# Altium PCB Brains3.PcbDoc (part 1 of 2) (continued)
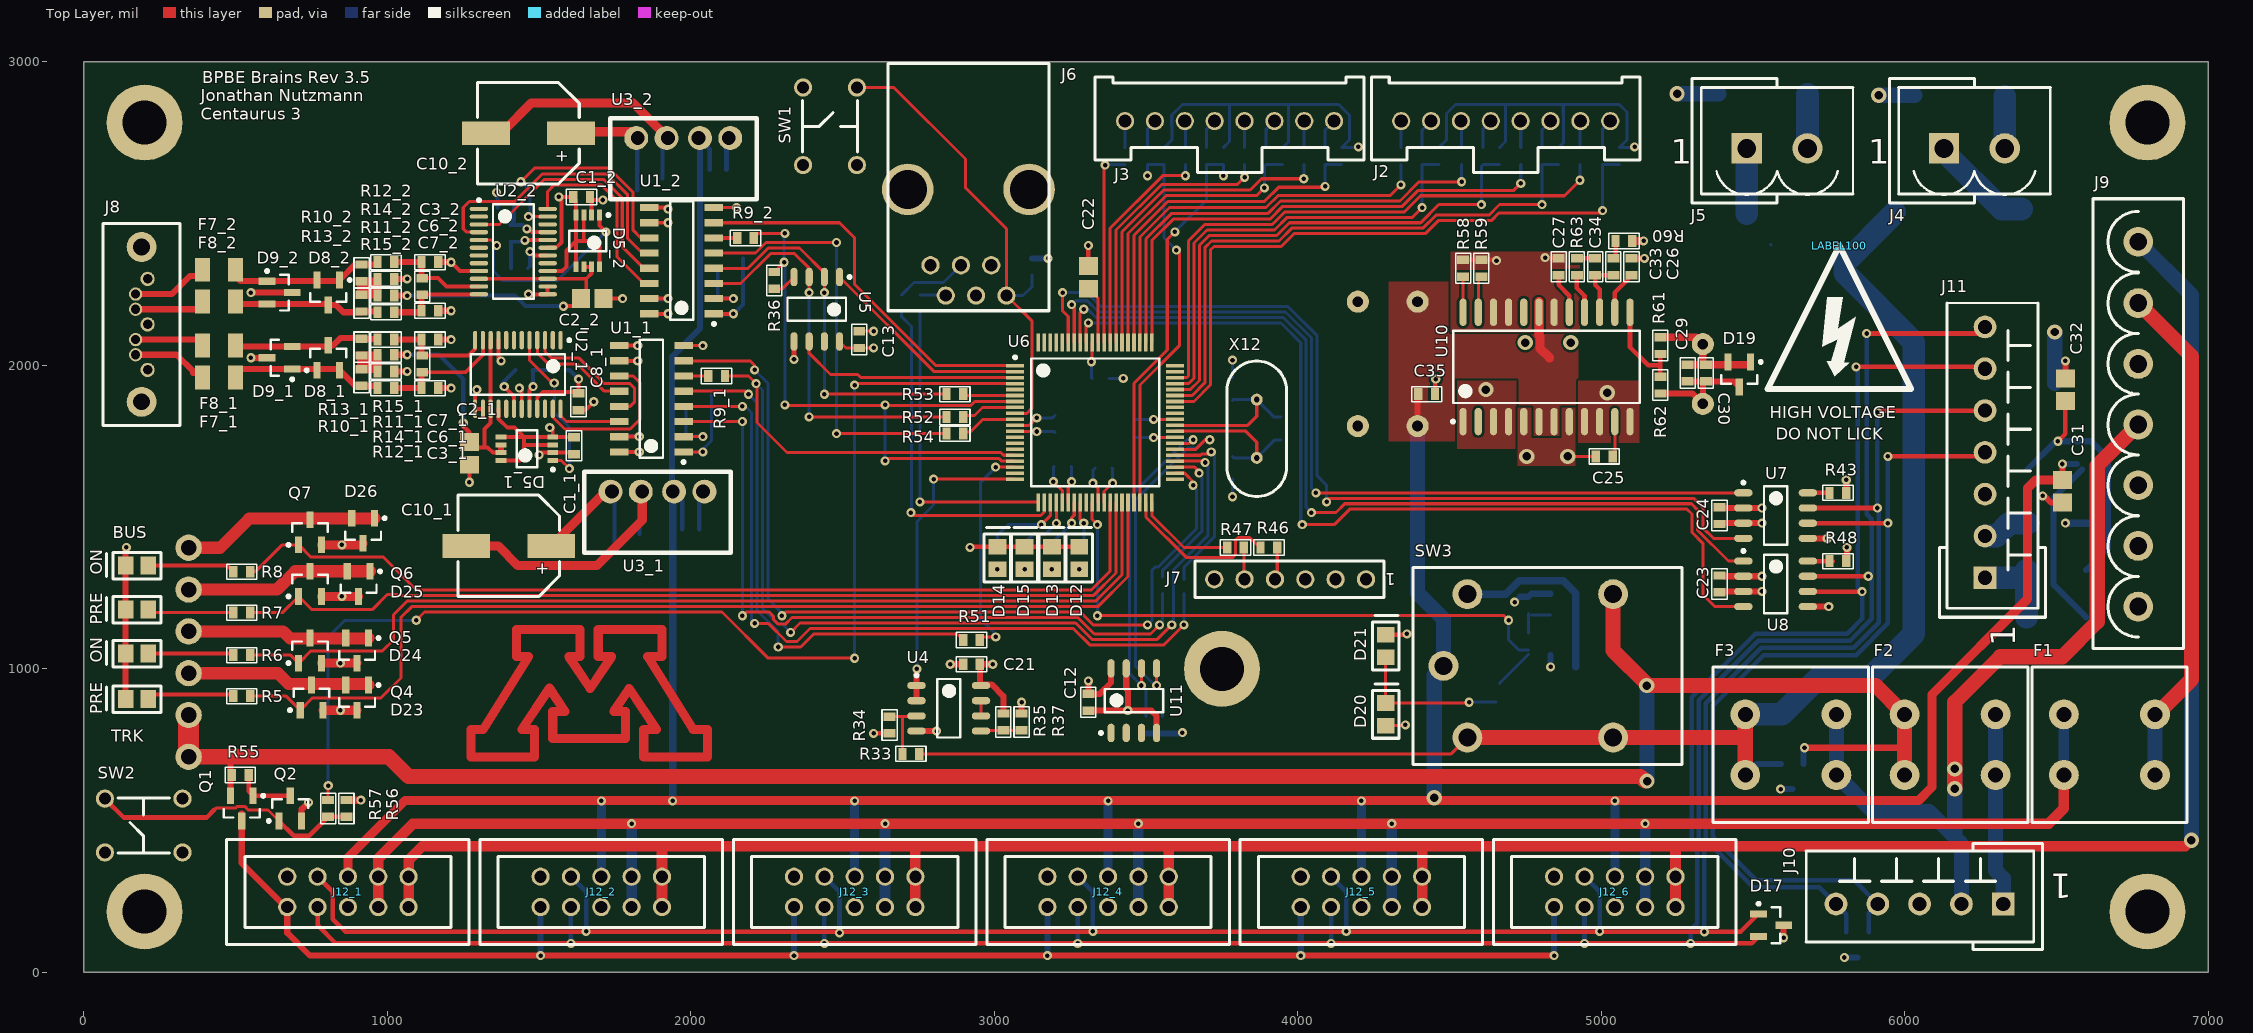
[diagram p0: Top Layer view]
## Components (designator, comment, footprint, x,y, rotation, side; value= is the part's Value field where it differs from the comment) (continued)
J12_1 "J_5x2_0.1" 10PIN_2_.100IN 1070,215 r180 top (schematic designator J12)
J12_2 "J_5x2_0.1" 10PIN_2_.100IN 1905,215 r180 top (schematic designator J12)
J12_3 "J_5x2_0.1" 10PIN_2_.100IN 2740,215 r180 top (schematic designator J12)
J12_4 "J_5x2_0.1" 10PIN_2_.100IN 3575,215 r180 top (schematic designator J12)
J12_5 "J_5x2_0.1" 10PIN_2_.100IN 4410,215 r180 top (schematic designator J12)
J12_6 "J_5x2_0.1" 10PIN_2_.100IN 5245,215 r180 top (schematic designator J12)
L1 "L_33uH_20%" L_SRR1210 4825,1900 r0 bottom
LABEL100 "SHOCK WARNING LARGE" SHOCK_HAZARD_LARGE 5785,2395 r0 top
ON "D_LED_0805_GREEN" 0805P_Green 175,1340 r0 top (schematic designator D4)
ON "D_LED_0805_GREEN" 0805P_Green 175,1050 r0 top (schematic designator D2)
PRE "D_LED_0805_RED" 0805P_RED 175,1195 r0 top (schematic designator D3)
PRE "D_LED_0805_RED" 0805P_RED 175,900 r0 top (schematic designator D1)
Q1 "Q_AO3401A" SOT-23 520,540 r270 top
Q2 "RK7002BT116" SOT-23 680,540 r90 top
Q3 "2SK3541T2L" SOT-23 4875,1210 r0 bottom
Q4 "RK7002BT116" SOT-23 750,905 r90 top
Q5 "RK7002BT116" SOT-23 745,1060 r90 top
Q6 "RK7002BT116" SOT-23 745,1280 r90 top
Q7 "RK7002BT116" SOT-23 745,1450 r90 top
R1 "RES 0603" 0603_res 3500,815 r90 bottom
R2 "RES 0603" 0603_res 3555,815 r90 bottom
R5 "R_0805_620_1%" 0603_res 520,910 r0 top
R6 "R_0805_620_1%" 0603_res 520,1045 r0 top
R7 "R_0805_620_1%" 0603_res 520,1185 r0 top
R8 "R_0805_620_1%" 0603_res 520,1320 r0 top
R9_1 "RES 0603" 0603_res 2085,1965 r180 top (schematic designator R9)
R9_2 "RES 0603" 0603_res 2180,2420 r180 top (schematic designator R9)
R10_1 "RES 0603" 0603_res 915,1960 r270 top (schematic designator R10)
R10_2 "RES 0603" 0603_res 915,2305 r90 top (schematic designator R10)
R11_1 "RES 0603" 0603_res 995,2035 r0 top (schematic designator R11)
R11_2 "RES 0603" 0603_res 995,2230 r0 top (schematic designator R11)
R12_1 "RES 0603" 0603_res 995,1925 r180 top (schematic designator R12)
R12_2 "RES 0603" 0603_res 995,2340 r180 top (schematic designator R12)
R13_1 "RES 0603" 0603_res 915,2060 r270 top (schematic designator R13)
R13_2 "RES 0603" 0603_res 915,2205 r90 top (schematic designator R13)
R14_1 "RES 0603" 0603_res 995,1980 r180 top (schematic designator R14)
R14_2 "RES 0603" 0603_res 995,2285 r180 top (schematic designator R14)
R15_1 "RES 0603" 0603_res 995,2085 r180 top (schematic designator R15)
R15_2 "RES 0603" 0603_res 995,2175 r180 top (schematic designator R15)
R16 "RES 0603" 0603_res 4930,2690 r270 bottom
R17 "RES 0603" 0603_res 5060,2690 r270 bottom
R18 "RES 0603" 0603_res 4145,2690 r270 bottom
R19 "RES 0603" 0603_res 4735,2690 r270 bottom
R20 "RES 0603" 0603_res 4860,2690 r270 bottom
R21 "RES 0603" 0603_res 3950,2690 r270 bottom
R22 "RES 0603" 0603_res 4540,2690 r270 bottom
R23 "RES 0603" 0603_res 4665,2690 r270 bottom
R24 "RES 0603" 0603_res 3755,2690 r270 bottom
R25 "RES 0603" 0603_res 4340,2690 r270 bottom
R26 "RES 0603" 0603_res 4465,2690 r270 bottom
R27 "RES 0603" 0603_res 3560,2690 r270 bottom
R28 "RES 0603" 0603_res 4020,2690 r270 bottom
R29 "RES 0603" 0603_res 3825,2690 r270 bottom
R30 "RES 0603" 0603_res 3630,2690 r270 bottom
R31 "RES 0603" 0603_res 3430,2690 r270 bottom
R32 "R_0805_1MEG_1%" 0805_Resistor 3945,1792.13 r270 bottom
R33 "RES 0603" 0603_res 2725,720 r180 top
R34 "RES 0603" 0603_res 2655,815 r90 top
R35 "RES 0603" 0603_res 3030,825 r270 top
R36 "RES 0603" 0603_res 2275,2280 r270 top
R37 "RES 0603" 0603_res 3090,825 r270 top
R38 "R_0805_620_1%" 0805_Resistor 3280,1365 r270 bottom
R39 "RES 0603" 0603_res 3125,2325 r270 bottom
R40 "R_0805_620_1%" 0805_Resistor 3190,1365 r270 bottom
R41 "R_0805_620_1%" 0805_Resistor 3010,1365 r270 bottom
R42 "R_0805_620_1%" 0805_Resistor 3100,1365 r270 bottom
R43 "RES 0603" 0603_res 5780,1580 r180 top
R44 "RES 0603" 0603_res 2695,2205 r270 bottom
R45 "RES 0603" 0603_res 2755,2205 r270 bottom
R46 "RES 0603" 0603_res 3905,1400 r180 top
R47 "RES 0603" 0603_res 3795,1400 r180 top
R48 "RES 0603" 0603_res 5780,1355 r180 top
R49 "RES 0603" 0603_res 3555,1275 r90 bottom
R50 "RES 0603" 0603_res 3625,1275 r90 bottom
R51 "RES 0603" 0603_res 2925,1095 r0 top
R52 "RES 0603" 0603_res 2870,1830 r0 top
R53 "RES 0603" 0603_res 2870,1905 r0 top
R54 "RES 0603" 0603_res 2870,1775 r0 top
R55 "RES 0603" 0603_res 515,650 r180 top
R56 "RES 0603" 0603_res 865,540 r90 top
R57 "RES 0603" 0603_res 805,540 r90 top
R58 "RES 0603" 0603_res 4545,2320 r90 top
R59 "RES 0603" 0603_res 4605,2320 r90 top
R60 "RES 0603" 0603_res 5075,2410 r180 top
R61 "RES 0603" 0603_res 5195,2065 r90 top
R62 "RES 0603" 0603_res 5195,1935 r90 top
R63 "RES 0603" 0603_res 4920,2325 r270 top
R64 "R_0805_620_1%" 0805_Resistor 4665,915 r90 bottom
R65 "RES 0603" 0603_res 4760,1090 r270 bottom
R66 "RES 0603" 0603_res 4760,1210 r270 bottom
SW1 "SW_TACT_SWITCH_6x6" TACT_SWITCH_6x6 2370,2660 r0 top
SW2 "SW_TACT_SWITCH_6x6" TACT_SWITCH_6x6 325,395 r90 top
SW3 "SW_G5LE-1 DC12" "G5LE-1 DC12" 4380,685 r0 top
U1_1 "U_SI6841EC-B" SOIC16_SI8641 1870,1890 r180 top (schematic designator U1)
U1_2 "U_SI6841EC-B" SOIC16_SI8641 1970,2345 r180 top (schematic designator U1)
U2_1 "U_AD7192" TSOP65P640X120-24N 1430,1970 r270 top (schematic designator U2)
U2_2 "U_AD7192" TSOP65P640X120-24N 1415,2375 r0 top (schematic designator U2)
U3_1 "U_RM-1205S" SIP4 1890,1585 r180 top (schematic designator U3)
U3_2 "U_RM-1205S" SIP4 1975,2750 r180 top (schematic designator U3)
U4 "IC OP AMP" SOIC127P600X175-8N 2850,870 r0 top
U5 "AT93C86A-10SU-2.7" SOIC127P600X175-8N 2415,2185 r270 top
U6 "DSPIC33FJ128GP708A" dspic33-tqfp80 3332.4,1812.13 r0 top
U7 "U_MAX3051" SOIC127P600X175-8N 5575,1505 r0 top
U8 "U_MAX3051" SOIC127P600X175-8N 5575,1280 r0 top
U9 "MC7805BDTG" DPAK 6495,1940 r270 bottom
U10 "LM2650 DC/DC Converter" SOIC127P1030X265-24N 4820,1995 r90 top
U11 "U_MB85RC16PNF-G-JNE1" SOIC127P600X175-8N 3460,895 r90 top
X1_1 "Ferrite Bead" 0603_res 1560,1995 r0 bottom (schematic designator X1)
X1_2 "Ferrite Bead" 0603_res 1405,2435 r90 bottom (schematic designator X1)
X2 "0603" 0603_res 5005,2690 r90 bottom
X3 "0603" 0603_res 4805,2690 r90 bottom
X4 "0603" 0603_res 4610,2690 r90 bottom
X5 "0603" 0603_res 4410,2690 r90 bottom
X6 "0603" 0603_res 4090,2690 r90 bottom
X7 "0603" 0603_res 3895,2690 r90 bottom
X8 "0603" 0603_res 3700,2690 r90 bottom
X9 "0603" 0603_res 3505,2690 r90 bottom
X10 "Ferrite Bead" 28F0181-1SR-10 6180,2890 r0 bottom
X11 "Ferrite Bead" 28F0181-1SR-10 5535,2895 r0 bottom
X12 "HC49" HC-49 3865,1887.13 r270 top

## Footprints (in the part's own frame and the unit in brackets; to place one, negate y for a bottom-side part, rotate by r counter-clockwise, add the part's x,y. Pads: shape width x height; smd on the part's side, far side on the other; paste and mask are expansions set on the pad)
6PIN_1_.100IN [mil]
  round 60 hole 40.16: 1(0,0) 2(100,0) 3(200,0) 4(300,0) 5(400,0) 6(500,0)
  silkscreen extent -60,-60 563,60
10PIN_2_.100IN [mil]
  round 60 hole 40.16: 1(0,0) 2(0,-100) 3(100,0) 4(100,-100) 5(200,0) 6(200,-100) 7(300,0) 8(300,-100) 9(400,0) 10(400,-100)
  silkscreen extent -200,-223 600,123
28F0181-1SR-10 [mil]
  rect 130x160 smd: 1(-146.5,0) 2(146.5,0)
0603_cap [mm]
  rect 0.7x1 smd: 1(-0.7,0) 2(0.7,0)
  silkscreen extent -1.27,-0.64 1.27,0.64, body extent -0.8,-0.4 0.8,0.4, height 0.3
0603_res [mm]
  rect 0.7x1 smd: 1(-0.7,0) 2(0.7,0)
  silkscreen extent -1.27,-0.64 1.27,0.64, body extent -0.8,-0.4 0.8,0.4, height 0.3
0805_BLUE [mm] "Chip Capacitor; Body 2.0 x 1.2 mm (LxW typ)"
  rect 1.3x1.5 smd: 1(-0.95,0) 2(0.95,0)
  silkscreen extent -2.54,-1.1 2,1.1, body extent -1.02,-0.64 0.99,0.61, height 0.79
0805_Capacitor [mm] "0805 Capacitor"
  rect 1.5x1.6 smd: 1(-0.95,0) 2(0.95,0)
  body extent -1,-0.62 1,0.62, height 0.76
0805_Resistor [mm] "0805 Resistor"
  rect 1.5x1.6 smd: 1(-0.95,0) 2(0.95,0)
  body extent -1,-0.62 1,0.63, height 0.78
0805P_Green [mm] "Chip Capacitor; Body 2.0 x 1.2 mm (LxW typ)"
  rect 1.3x1.5 smd: 1(-0.95,0) 2(0.95,0)
  silkscreen extent -2.54,-1.1 2,1.1, body extent -1.02,-0.64 0.99,0.61, height 0.79
0805P_RED [mm] "Chip Capacitor; Body 2.0 x 1.2 mm (LxW typ)"
  rect 1.3x1.5 smd: 1(-0.95,0) 2(0.95,0)
  silkscreen extent -2.54,-1.1 2,1.1, body extent -1.02,-0.64 0.99,0.61, height 0.79
0805P_YELLOW [mm] "Chip Capacitor; Body 2.0 x 1.2 mm (LxW typ)"
  rect 1.3x1.5 smd: 1(-0.95,0) 2(0.95,0)
  silkscreen extent -2.54,-1.1 2,1.1, body extent -1.02,-0.64 0.99,0.61, height 0.79
1206_RESISTOR [mm] "1206 Resistor/Capacitor"
  rect 1.25x2 smd: 1(-1.375,0) 2(1.375,0)
  body extent -1.6,-0.8 1.6,0.8, height 1
2410 [mm]
  rect 2x3.18 smd: 1(-2.5,0) 2(2.5,0)
1843635 [mil]
  rect 75x75 hole 47: 1(0,0)
  round 75 hole 47: 2(0,-137.8) 3(0,-275.59) 4(0,-413.39) 5(0,-551.18)
  silkscreen extent -200,-650 150,130
1843651 [mil]
  rect 75x75 hole 47: 1(0,0)
  round 75 hole 47: 2(0,-137.8) 3(0,-275.59) 4(0,-413.39) 5(0,-551.18) 6(0,-688.98) 7(0,-826.77)
  silkscreen extent -200,-906 150,130
1844252 [mm]
  round 2.2 hole 1.3: 1(0,0) 2(3.5,0) 3(7,0) 4(10.5,0) 5(14,0) 6(17.5,0)
  silkscreen extent -2.45,-8 19.95,2, body extent -2.44,-8 19.96,1.2, height 7.25
CAP_NICHICON_R7 [mm]
  round 1.85 hole 0.9: 1(0,0) 2(5,0)
  silkscreen extent -2.5,-5 7.5,5, body extent -2.46,-4.95 7.54,5.05, height 12.5
D2PAK-D [mm]
  rect 3.7x1.3 smd: 0(10.6,-2.54) A(10.6,2.54)
  rect 8.9x10.3 smd: K(0,0)
DF1EC-8P-2.5DSA [mil] "8-pin DF1E connector straight"
  round 60 hole 43.31: 1(0,0) 2(98.43,0) 3(196.85,0) 4(295.28,0) 5(393.7,0) 6(492.13,0) 7(590.55,0) 8(688.98,0)
  silkscreen extent -98,-146 787,169, body extent -98,-146 787,169, height 425
DPAK [mm]
  rect 6.2x5.8 smd: 1(0,0)
  rect 3x1.6 smd: 2(7.18,2.285) 3(7.18,-2.285)
  body extent -2.69,-3.33 6.81,3.18, height 2.3
dspic33-tqfp80 [mm] "TSQFP, 80-Leads, Body 14.0x14.0mm (max), Pitch 0.50mm, IPC Medium Density"
  rect 1.5x0.3 smd: 1(-6.7,4.75) 2(-6.7,4.25) 3(-6.7,3.75) 4(-6.7,3.25) 5(-6.7,2.75) 6(-6.7,2.25) 7(-6.7,1.75) 8(-6.7,1.25) 9(-6.7,0.75) 10(-6.7,0.25) 11(-6.7,-0.25) 12(-6.7,-0.75) 13(-6.7,-1.25) 14(-6.7,-1.75) 15(-6.7,-2.25) 16(-6.7,-2.75) 17(-6.7,-3.25) 18(-6.7,-3.75) 19(-6.7,-4.25) 20(-6.7,-4.75) 41(6.7,-4.75) 42(6.7,-4.25) 43(6.7,-3.75) 44(6.7,-3.25) 45(6.7,-2.75) 46(6.7,-2.25) 47(6.7,-1.75) 48(6.7,-1.25) 49(6.7,-0.75) 50(6.7,-0.25) 51(6.7,0.25) 52(6.7,0.75) 53(6.7,1.25) 54(6.7,1.75) 55(6.7,2.25) 56(6.7,2.75) 57(6.7,3.25) 58(6.7,3.75) 59(6.7,4.25) 60(6.7,4.75)
  rect 0.3x1.5 smd: 21(-4.75,-6.7) 22(-4.25,-6.7) 23(-3.75,-6.7) 24(-3.25,-6.7) 25(-2.75,-6.7) 26(-2.25,-6.7) 27(-1.75,-6.7) 28(-1.25,-6.7) 29(-0.75,-6.7) 30(-0.25,-6.7) 31(0.25,-6.7) 32(0.75,-6.7) 33(1.25,-6.7) 34(1.75,-6.7) 35(2.25,-6.7) 36(2.75,-6.7) 37(3.25,-6.7) 38(3.75,-6.7) 39(4.25,-6.7) 40(4.75,-6.7) 61(4.75,6.7) 62(4.25,6.7) 63(3.75,6.7) 64(3.25,6.7) 65(2.75,6.7) 66(2.25,6.7) 67(1.75,6.7) 68(1.25,6.7) 69(0.75,6.7) 70(0.25,6.7) 71(-0.25,6.7) 72(-0.75,6.7) 73(-1.25,6.7) 74(-1.75,6.7) 75(-2.25,6.7) 76(-2.75,6.7) 77(-3.25,6.7) 78(-3.75,6.7) 79(-4.25,6.7) 80(-4.75,6.7)
  silkscreen extent -6.82,-5.35 5.35,5.57, body extent -6,-6 6,6, height 1.2
EEE-FP1V101AP [mm]
  rect 2x4 smd: 1(0,-3.55) 2(0,3.55)
  silkscreen extent -4.25,-4.25 4.25,4.25
"FPG4 Fuseholder" [mm] "Schurter 5mmx20mm Fuse Holder"
  round 2.5 hole 1.25: 1(-2.54,3.81) 1(2.54,3.81) 2(-2.54,-3.81) 2(2.54,-3.81)
  silkscreen extent -6.5,-6.5 6.5,6.5, body extent -6.25,-6.25 6.25,6.25, height 32.6
"G5LE-1 DC12" [mm]
  round 2.5 hole 1.5: 1(2.55,8.25) 2(4.55,2.25) 3(16.75,2.25) 4(16.75,14.25) 5(4.55,14.25)
  silkscreen extent 0,0 22.5,16.5
HC-49 [mm]
  round 1 hole 0.5: 1(0,0) 2(4.88,0)
  Top Layer pour cut-out: -2.591,1.499 -2.388,1.727 -2.235,1.854 -1.981,2.057 -1.727,2.184 -1.448,2.311 -1.067,2.388 -0.787,2.413 5.766,2.413 6.172,2.337 6.579,2.21 6.909,2.032 7.239,1.778 7.595,1.372 7.849,0.914 7.976,0.533 8.026,0.127 8.026,-0.178 7.95,-0.559 7.772,-0.991 7.569,-1.346 7.188,-1.778 6.858,-2.007 6.375,-2.235 6.02,-2.311 5.588,-2.362 -0.686,-2.362 -1.016,-2.337 -1.27,-2.286 -1.502,-2.216 -1.753,-2.108 -2.007,-1.981 -2.21,-1.829 -2.438,-1.6 -2.642,-1.346 -2.87,-1.016 -2.997,-0.66 -3.073,-0.279 -3.099,0.025 -3.073,0.33 -3.023,0.584 -2.946,0.889 -2.819,1.118 -2.718,1.295
  Bottom Layer pour cut-out: 7.518,1.499 7.315,1.727 7.163,1.854 6.909,2.057 6.655,2.184 6.375,2.311 5.994,2.388 5.715,2.413 -0.838,2.413 -1.245,2.337 -1.651,2.21 -1.981,2.032 -2.311,1.778 -2.667,1.372 -2.921,0.914 -3.048,0.533 -3.099,0.127 -3.099,-0.178 -3.023,-0.559 -2.845,-0.991 -2.642,-1.346 -2.261,-1.778 -1.93,-2.007 -1.448,-2.235 -1.092,-2.311 -0.66,-2.362 5.613,-2.362 5.944,-2.337 6.198,-2.286 6.43,-2.216 6.68,-2.108 6.934,-1.981 7.137,-1.829 7.366,-1.6 7.569,-1.346 7.798,-1.016 7.925,-0.66 8.001,-0.279 8.026,0.025 8.001,0.33 7.95,0.584 7.874,0.889 7.747,1.118 7.645,1.295
  silkscreen extent -3.23,-2.5 8.11,2.5, body extent -3.25,-1.78 8.1,1.87, height 3.3
L_SRR1210 [mm]
  rect 5.3x2.8 smd: 1(0,5.05) 2(0,-5.05)
  silkscreen extent -6,-6 6,6, body extent -5.94,-6.68 6.05,6.65, height 10.01
PHONEIX_7_5.08 [mm]
  round 2.5 hole 1.5: 1(0,0) 2(5.08,0) 3(10.16,0) 4(15.24,0) 5(20.32,0) 6(25.4,0) 7(30.54,0)
  silkscreen extent -3.5,-3.8 34.14,3.8, body extent -3.56,-4.8 34,3.8, height 12
PHX2UP [mil]
  rect 100x100 hole 62: 1(105,10)
  round 100 hole 62: 2(-95,10)
  silkscreen extent -245,-220 285,190, body extent -234,-179 244,160, height 472
SATA_67800-8005 [mm]
  round 2.5 hole 1.4: 0(-6.48,0) 0(6.48,0)
  round 1.2 hole 0.8: 1(-3.81,-0.5) 4(0,-0.5) 7(3.81,-0.5)
  round 1.118 hole 0.762: 2(-2.54,0.5) 3(-1.27,0.5) 5(1.27,0.5) 6(2.54,0.5)
  silkscreen extent -8.45,-3.22 8.45,3.22
SHOCK_HAZARD_LARGE [mil]
  silkscreen extent -236,-472 236,0
SIP4 [mm]
  round 2 hole 1.15 copper offset -0.127,0: 1(-3.81,0.025) 2(-1.27,0.025)
  round 2 hole 1.15 copper offset 0.127,0: 3(1.27,0.025) 4(3.81,0.025)
  silkscreen extent -6.15,-1.63 6.12,5.13, body extent -5.74,-1.24 5.74,4.75, height 10
SOIC16_SI8641 [mm] "SOIC, 16-Leads, Body 9.9x3.9mm (max), Pitch 1.27mm, IPC Medium Density"
  rect 1.55x0.6 smd: 1(-2.7,4.445) 2(-2.7,3.175) 3(-2.7,1.905) 4(-2.7,0.635) 5(-2.7,-0.635) 6(-2.7,-1.905) 7(-2.7,-3.175) 8(-2.7,-4.445) 9(2.7,-4.445) 10(2.7,-3.175) 11(2.7,-1.905) 12(2.7,-0.635) 13(2.7,0.635) 14(2.7,1.905) 15(2.7,3.175) 16(2.7,4.445)
  silkscreen extent -2.83,-4.95 0.97,5.42, body extent -1.95,-4.95 1.95,4.95, height 1.75
SOIC127P600X175-8N [mm] "SOIC, 8-Leads, Body 4.9x3.9mm (max), Pitch 1.27mm, IPC Medium Density"
  oval 1.55x0.6 smd: 1(-2.7,1.905) 2(-2.7,0.635) 3(-2.7,-0.635) 4(-2.7,-1.905) 5(2.7,-1.905) 6(2.7,-0.635) 7(2.7,0.635) 8(2.7,1.905)
  silkscreen extent -2.82,-2.45 0.97,2.88, body extent -3.02,-2.46 2.98,2.48, height 1.55
SOIC127P1030X265-24N [mm] "SOIC, 24-Leads, Body 15.6x7.6mm (max), Pitch 1.27mm, IPC Medium Density"
  oval 2.3x0.6 smd: 1(-4.575,6.985) 2(-4.575,5.715) 3(-4.575,4.445) 4(-4.575,3.175) 5(-4.575,1.905) 6(-4.575,0.635) 7(-4.575,-0.635) 8(-4.575,-1.905) 9(-4.575,-3.175) 10(-4.575,-4.445) 11(-4.575,-5.715) 12(-4.575,-6.985) 13(4.575,-6.985) 14(4.575,-5.715) 15(4.575,-4.445) 16(4.575,-3.175) 17(4.575,-1.905) 18(4.575,-0.635) 19(4.575,0.635) 20(4.575,1.905) 21(4.575,3.175) 22(4.575,4.445) 23(4.575,5.715) 24(4.575,6.985)
  silkscreen extent -4.7,-7.8 3.03,7.96, body extent -5.3,-7.8 5.3,7.8, height 2.57
SOT-23 [mm] "SOT23, 3-Leads, Body 3.0x2.7mm (max), Pitch 0.95mm, IPC Medium Density"
  rect 1.4x0.6 smd: 1(-1.05,0.95) 2(-1.05,-0.95) 3(1.05,0)
  silkscreen extent -1.17,-1.5 0.76,1.92, body extent -1.21,-1.1 0.99,1.1, height 1.1
SS-6466-NF [mil]
  round 60 hole 40: 1(0,-225) 2(100,-175) 3(0,-125) 4(100,-75) 5(0,-25) 6(100,25)
  round 170 hole 128: ""(350,-300) ""(350,100)
  silkscreen extent -50,-365 765,165, body extent -48,-365 768,165, height 505
TACT_SWITCH_6x6 [mil]
  round 60 hole 40: 1(0,0) 2(177.17,255.91) 3(177.17,0) 4(0,255.91)
  silkscreen extent -1,43 179,213, body extent -29,0 207,255, height 169
TSOP65P490X110-8N [mm] "TSOP, 8-Leads, Body 3.1x3.1mm (max), Pitch 0.65mm, IPC Medium Density"
  rect 0.889x0.42 smd: 1(-2.171,0.975) 2(-2.171,0.325) 3(-2.171,-0.325) 4(-2.171,-0.975) 5(2.17,-0.975) 6(2.17,-0.325) 7(2.17,0.325) 8(2.17,0.975)
  silkscreen extent -2.3,-1.55 0.85,1.86, body extent -1.55,-1.55 1.55,1.55, height 1.1
TSOP65P640X120-24N [mm] "TSOP, 24-Leads, Body 7.9x4.5mm (max), Pitch 0.65mm, IPC Medium Density"
  oval 1.55x0.35 smd: 1(-2.875,3.575) 2(-2.875,2.925) 3(-2.875,2.275) 4(-2.875,1.625) 5(-2.875,0.975) 6(-2.875,0.325) 7(-2.875,-0.325) 8(-2.875,-0.975) 9(-2.875,-1.625) 10(-2.875,-2.275) 11(-2.875,-2.925) 12(-2.875,-3.575) 13(2.875,-3.575) 14(2.875,-2.925) 15(2.875,-2.275) 16(2.875,-1.625) 17(2.875,-0.975) 18(2.875,-0.325) 19(2.875,0.325) 20(2.875,0.975) 21(2.875,1.625) 22(2.875,2.275) 23(2.875,2.925) 24(2.875,3.575)
  silkscreen extent -3,-3.95 1.7,4.43, body extent -2.25,-3.95 2.25,3.95, height 1.2

## Part data
C1_1 C1_2 C3_1 C3_2 C4_1 C4_2 C5_1 C5_2 C6_1 C6_2 C7_1 C7_2 C8_1 C8_2 C9_1 C9_2 C11_1 C11_2 C12 C13 C14 C15 C16 C17 C18 C21 C23 C24 C25 C26 C27 C29 C30 C33 C34 C35: library part C_0603, "CAP CERM 0603"
C2_1 C2_2 C22: library part C_0805_10uF, "CAP CERM 10 uF"
C10_1 C10_2: library part C_POLY_100uF_35V, "CAP ALUM 100UF 35V 20% SMD"
C19 C20: library part C_0805_20PF_100V_5%, "CAP CERM 20PF 5% 100V NP0 0805"
C28: library part C_POLY_680UF_10V, "CAP POLY 680UF 10V LOW ESR RAD"
C31 C32: library part C_0805_1.0uF, "CAP CERM 1uF"
C36 C37: library part C_POLY_150UF, "CAP POLY 150UF 20V HT 125C RAD"
D5_1 D5_2: "IC VREF SERIES PREC 3.3V 8-MSOP"
D6_1 D6_2 D7_1 D7_2 D9_1 D9_2 D19: library part D_MMBZ6V8AL,215, "DIODE ESD PROT DBL 4.5V SOT23"
D8_1 D8_2: library part D_BAV99, "DIODE ULTRAFAST HI COND SOT-23"
D10 D11: library part D_Schottky_20A_15V_D2PAK, "DIODE SCHOTTKY 20A 15V D2PAK"
D12 D20 PRE PRE: "LED CHIPLED 645NM RED DIFF 0805"
D13 D21 ON ON: "LED CHIPLED 570NM GREEN 0805 SMD"
D14: "LED 595NM AMBER DIFF SMD 0805"
D15: "LED 2X1.2MM 470NM BL WTR CLR SMD"
D16 D17: library part D_NUP2105, "IC CAN BUS PROTECTOR DUAL SOT23"
D18: library part D_SM15TCT, "IC TVS ARRAY 2UNI/1BI 15V SOT-23"
D22 D23 D24 D25 D26: "DIODE ZENER DUAL 36V SOT-23"
F1 F2 F3: "Schurter FPG4 5mm x 20mm Fuse Holder"
F4 F5 F6: "FUSE 12A 125V 6125 FAST SSQ"
F7_1 F7_2 F8_1 F8_2: library part F_250mA_1206, "FUSE 250 mA 1206"
J1: "CONN HEADER RT ANG 6POS 3.81MM"
J2 J3: library part DF1E_8_S, "9-pin Hirose"
J4 J5: "2 Pin From Motor"
J6: library part "J_ICD PROG", "SCS RJ-11 Jack"
J7: library part JP_FTDI_USB, "FTDI Cable VCC I/O"
J8: "CONN SATA HDR 7POS PCB VERT"
J9: "7 Pin Male Phoenix Connector 5.08"
J10: "5 Pin Male Phoenix Connector 3.5"
J11: library part J_PHOENIX_7M_3.5, "7 Pin Male Phoenix Connector 3.5"
J12_1 J12_2 J12_3 J12_4 J12_5 J12_6: "5 x 2 0.1\" Header"
L1: "INDUCTOR PWR 33UH 20% SHIELD SMD"
Q1: "MOSFET P-CH -30V -4.3A SOT23"
Q2 Q4 Q5 Q6 Q7: library part Q_N_60V_250MA_SOT23, "MOSFET N-CH 60V 250MA SOT-23"
Q3: library part Q_2SK3541T2L, "MOSFET N-CH 20V 0.9A SOT-23"
R1 R2 R9_1 R9_2 R10_1 R10_2 R11_1 R11_2 R12_1 R12_2 R13_1 R13_2 R14_1 R14_2 R15_1 R15_2 R16 R17 R18 R19 R20 R21 R22 R23 R24 R25 R26 R27 R28 R29 R30 R31 R33 R34 R35 R36 R37 R39 R43 R44 R45 R46 R47 R48 R49 R50 R51 R52 R53 R54 R55 R56 R57 R58 R59 R60 R61 R62 R63 R65 R66: library part R_0603
R5 R6 R7 R8: "RES 620 OHM 1/8W 1% 0603 SMD"
R32: "RES 1MEG OHM 1/8W 1% 0805 SMD"
R38 R40 R41 R42 R64: "RES 620 OHM 1/8W 1% 0805 SMD"
SW1 SW2: "SWITCH TACT 6MM BLACK 160GF"
SW3: "RELAY GEN PURPOSE SPDT 10A 12V"
U1_1 U1_2: "IC ISOLATOR 4CH 3.75V 16-SOIC"
U2_1 U2_2: "IC ADC 24BIT 2CH W/PGA 24-TSSOP"
U3_1 U3_2: "CONV DC/DC 0.25W SGL 5V OUT SIP4"
U4: library part U_MCP6042T-I/SN, "IC OPAMP 1UA 1.4V DUAL R-R 8SOIC"
U5: library part U_AT93C86A-10SU-2.7, "IC EEPROM 16KBIT 2MHZ 8SOIC"
U6: library part U_DSPIC33FJ128GP708A, "IC DSPIC MCU/DSP 128K 80-TQFP"
U7 U8: "IC TXRX CAN 1MBPS 8-SOIC 3.3V"
U9: library part U_MC7805BDTG, "IC REG POS VOLT 1A 5V DPAK"
U10: library part U_LM2650, "IC CONVERTER SYNCH DC/DC 24-SOIC"
U11: "IC FRAM 16KBIT 1MHZ 8SOP"
X1_1 X1_2: library part X_FERRITE_0805, "FERRITE CHIP BEAD 600 OHM SMD"
X2 X3 X4 X5 X6 X7 X8 X9: library part X_0603_FERRITE, "FERRITE 0603"
X10 X11: library part X_FERRITE_10A_3318, "FERRITE 10A 115 OHMS SMD"
X12: library part X_HC49, "CRYSTAL 8.00 MHZ 20PF 49US"

## Free pads (board coordinates)
  round 250 hole 145: 0(200,200) 0(200,2800) 0(3750,1000) 0(6800,200) 0(6800,2800)

## Via types
v1: diameter 30, hole 15, Top Layer to Bottom Layer, 228 vias
v2: diameter 50, hole 28, Top Layer to Bottom Layer, 15 vias

## Nets (pads, with @x,y where several pads share a name; then routed paths per layer and width w, separated by ;. In a path a pad name is that pad's centre, name@x,y a point inside that pad or via, vN(x,y) a via of type N, cw(c..) or ccw(c..) an arc to the next point about the centre after c; other vN are vias at no path point)
12P_UC: U4.1 U4.2 U6.20 | length 1021.8
  Top Layer w10: v1(2800,1625) U6.20@3068.5,1625
  Top Layer w20: U4.2@2743.7,895 U4.1@2743.7,945 2743.7,998.7 v1(2745,1000)
  Bottom Layer w10: v1(2745,1000) 2745,1485 2800,1540 v1(2800,1625)
+3.3: C4_1.2 C4_2.2 C12.2 C13.2 C14.1 C15.1 C16.1 C17.1 C18.1 C21.1 C23.1 C24.1 C28.1 C29.1 C30.1 D7_1.1 D7_1.2 D7_2.1 D7_2.2 D19.1 D19.2 D20.2 F6.1 J6.2 J12_1.5 J12_2.5 J12_3.5 J12_4.5 J12_5.5 J12_6.5 L1.2 R1.1 R2.1 R17.1 R18.1 R20.1 R21.1 R23.1 R24.1 R26.1 R27.1 R35.1 R39.1 R56.2 R60.1 R61.2 U1_1.1 U1_2.1 U4.8 U5.8 U6.12 U6.25 U6.32 U6.48 U6.71 U7.3 U8.3 U11.8 | length 5330.6
  Top Layer w10: U1_1.1@1976.3,1715 v1(2040,1715) ; U5.8@2490,2078.7 2511.26,2057.44 C13.2@2555,2057.44 v1(2602.44,2057.44) ; U6.12@3068.62,1782.6 3139.53,1782.6 v1(3140,1782.13) ; v1(3195,1617.13) 3224.13,1587.99 U6.25@3224.13,1548.35 ; v1(3320,2012.13) 3322.56,2014.68 U6.71@3322.56,2075.91 ; U6.32@3361.93,1548.35 3361.93,1584.06 v1(3390,1612.13) ; v1(3525,1762.13) 3525.79,1762.91 U6.48@3596.18,1762.91 ; D20.2@4290,812.6 4352.6,812.6 v1(4355,815)
  Top Layer w13: U1_2.1@2076.3,2170 v1(2140,2170)
  Top Layer w20: v1(2995,1015) C21.1@2952.56,1015 2952.56,948.74 2991.26,948.74 3030,910 R35.1@3030,852.56 ; v1(3310,960) C12.2@3310,917.56 3347.56,917.56 3385,955 U11.8@3385,1001.3 ; C24.1@5392.56,1480 U7.3@5468.7,1480 v1(5530,1480) ; C23.1@5402.56,1255 U8.3@5468.7,1255 ; U8.3@5478.7,1255 v1(5530,1255)
  Top Layer w25: R56.2@865,567.56 v1(912.56,567.56) ; R60.1@5102.56,2410 v1(5140,2410) ; R61.2@5195,2092.56 5312.44,2092.56 C28.1@5335,2070 C30.1@5335,2012.56 ; C29.1@5285,2002.56 C30.1@5345,2002.56 D19.1@5483.62,2002.56
  Bottom Layer w10: C4_1.2@1985,1712.44 2037.44,1712.44 v1(2040,1715) 2040,1723.74 2068,1751.74 2068,1900.74 D7_1.1@2066.34,1902.4 ; v1(3140,1782.13) 3197.44,1782.13 C17.1@3200,1779.57 ; v1(3195,1617.13) 3195,1664.69 C16.1@3197.44,1667.13 ; v1(3320,2012.13) 3320,1959.57 C18.1@3322.44,1957.13 ; C15.1@3387.56,1662.13 3390,1659.69 v1(3390,1612.13) ; C14.1@3465,1764.57 3467.44,1762.13 v1(3525,1762.13) ; R27.1@3560,2717.56 3585,2742.56 3585,2787.06 3584.87,2787.19 3584.87,2824.87 3620,2860 3775,2860 ; R24.1@3755,2717.56 3775,2737.56 3775,2860 ; R21.1@3950,2717.56 3970,2737.56 3970,2860 ; v1(4200,2720) 4197.56,2717.56 R18.1@4145,2717.56 4170,2742.56 4170,2825 4135,2860 3970,2860 ; R26.1@4465,2717.56 4490,2742.56 4490,2830 4520,2860 4685,2860 ; R23.1@4665,2717.56 4685,2737.56 4685,2860 ; R20.1@4860,2717.56 4876.15,2733.71 4876.15,2823.96 4875,2825.11 4875,2860 ; v1(5110,2720) 5107.56,2717.56 R17.1@5060,2717.56 5085,2742.56 5085,2835 5060,2860 4875,2860 ; 3775,2860 3970,2860 ; 4685,2860 4875,2860
  Bottom Layer w13: C4_2.2@2075,2167.44 v1@2137.44,2167.44 ; v1(2140,2170) 2171.34,2201.34 D7_2.2@2171.34,2277.6 D7_2.1@2171.34,2352.4
  Bottom Layer w20: R39.1@3125,2352.56 v1(3177.56,2352.56) ; R1.1@3500,787.44 R2.1@3555,787.44 3617.44,787.44 v1(3620,790)
  Bottom Layer w25: v1(6530,1480) F6.1@6603.43,1480
  other v2: 4750,2075 4900,2075
+3.3REF_1: C2_1.1 D5_1.6 D5_1.7 R11_1.2 U2_1.10 U2_1.15 | length 974.5
  Top Layer w10: 1340.43,1819.57 U2_1.15@1340.43,1856.81
  Top Layer w13: C2_1.1@1270,1750 C2_1.1@1270,1747.4 1287.4,1730 1320,1730 ; U2_1.10@1340.43,2083.19 U2_1.15@1340.43,1856.81 1340.43,1810.43 1320,1790 1320,1730 ; D5_1.7@1374.55,1712.2 1347.8,1712.2 1330,1730 1320,1730
  Top Layer w15: v1@1250,1800 1270,1780
  Top Layer w20: R11_1.2@1022.56,2035 v1(1065,2035) ; D5_1.7@1374.55,1720 D5_1.6@1374.55,1730
  Bottom Layer w15: v1(1065,2035) 1170,2035 1250,1955 v1@1250,1800
  other v1: 1250,1810
+3.3REF_2: C2_2.1 D5_2.6 D5_2.7 R11_2.2 U2_2.10 U2_2.15 | length 1138.2
  Top Layer w13: U2_2.10@1301.81,2285.43 U2_2.15@1528.19,2285.43 1655.43,2285.43 ; v1(1580,2195) 1612.6,2195 C2_2.1@1637.6,2220 1655.43,2237.83 1655.43,2285.43 ; D5_2.6@1647.2,2324.55 D5_2.7@1672.8,2324.55 1672.8,2302.8 1655.43,2285.43
  Top Layer w20: R11_2.2@1022.56,2230 v1(1065,2230)
  Bottom Layer w13: v1(1065,2230) 1420,2230 1455,2195 v1(1580,2195)
+5: C32.1 F4.1 U9.2 | length 868.7
  Top Layer w15: v1(6505,1750) 6530,1775 C32.1@6530,1882.6
  Bottom Layer w20: U9.2@6405.04,1657.32 6497.72,1750 v1(6505,1750) 6615,1750 6670,1695 6670,1396.57 F4.1@6598.43,1325
+5_ISO_1: C5_1.2 C8_1.2 C10_1.1 D6_1.1 D6_1.2 U1_1.10 U1_1.16 U2_1.21 U3_1.4 X1_1.2 | length 905.1
  Top Layer w13: U2_1.21@1493.98,1856.81 1493.98,1893.98 1512.44,1912.44 1630,1912.44 v1(1630,1955) ; U1_1.16@1763.7,1715 v1(1830,1715) ; U1_1.10@1763.7,2015 v1(1825,2015)
  Top Layer w30: C10_1.1@1539.76,1405 U3_1.4@1718.76,1584
  Bottom Layer w13: X1_1.2@1587.56,1985 1600,1985 v1(1630,1955) ; U3_1.4@1740,1584 1748.66,1575.34 D6_1.2@1748.66,1482.4 D6_1.1@1748.66,1407.6 ; C5_1.2@1765,1712.44 1767.56,1715 v1(1830,1715)
+5_ISO_2: C5_2.2 C8_2.2 C10_2.1 D6_2.1 D6_2.2 U1_2.10 U1_2.16 U2_2.21 U3_2.4 X1_2.2 | length 1010.5
  Top Layer w13: v1(1460,2450) 1465,2450 1476.02,2438.98 U2_2.21@1528.19,2438.98 ; U1_2.16@1863.7,2170 v1(1925,2170) ; U1_2.10@1863.7,2470 v1(1925,2470)
  Top Layer w30: C10_2.1@1634.76,2770 1804,2770 U3_2.4@1825,2749
  PWR w13: v1(1460,2450) 1500,2450 1520,2470 1520,2655
  Bottom Layer w13: C8_2.2@1417.56,2520 1417.56,2475.12 X1_2.2@1405,2462.56 1447.44,2462.56 v1(1460,2450) ; C5_2.2@1860,2162.44 1867.56,2170 v1(1925,2170)
  Bottom Layer w15: D6_2.1@1823.66,2577.6 D6_2.2@1823.66,2652.4 1823.66,2747.66 U3_2.4@1825,2749
+5A_ISO_1: C1_1.1 C9_1.2 D5_1.2 U2_1.20 X1_1.1 | length 318
  Top Layer w13: U2_1.20@1468.39,1856.81 1468.39,1918.39 v1(1480,1930) ; v1@1495,1700 v1(1500,1705) 1507.2,1712.2 D5_1.2@1545.45,1712.2 1605.24,1712.2 C1_1.1@1615,1702.44
  Bottom Layer w13: v1(1480,1930) 1480,1982.56 C9_1.2@1477.56,1985 X1_1.1@1532.44,1985
+5A_ISO_2: C1_2.1 C9_2.2 D5_2.2 U2_2.20 X1_2.1 | length 315
  Top Layer w13: v1(1453.26,2412) 1454.65,2413.39 U2_2.20@1528.19,2413.39 ; C1_2.1@1667.56,2555 C1_2.1@1672.8,2549.76 ; D5_2.2@1672.8,2495.45 C1_2.1@1672.8,2549.76 ; v1(1710,2545) 1677.56,2545 C1_2.1@1672.8,2549.76
  Bottom Layer w13: C9_2.2@1407.44,2320 1407.44,2405 X1_2.1@1405,2407.44 1448.7,2407.44 v1(1453.26,2412)
+12: C11_1.1 C11_2.1 C31.1 C35.1 C36.1 C37.1 F5.1 J12_1.6 J12_2.6 J12_3.6 J12_4.6 J12_5.6 J12_6.6 SW3.1 U3_1.2 U3_2.2 U9.3 U10.6 U10.7 U10.19 | length 12587
  Top Layer w20: C37.1@4395,1800 C35.1@4395,1897.56 ; C31.1@6520,1622.4 v1(6520,1675)
  Top Layer w30: J12_1.6@870,315 870,376.81 1059.43,566.24 5100,566.24 5100.58,565.66 6045.66,565.66 6090,610 6090,915 6405,1230 6405,1595 6432.4,1622.4 C31.1@6520,1622.4 ; U10.19@4795,2210 4795,2097.88 4798,2094.88 4798,2057 4830,2025
  Bottom Layer w15: U3_1.2@1940,1584 1972.44,1551.56 C11_1.1@1972.44,1460 ; U3_2.2@2025,2749 2030,2744 2062.44,2711.56 C11_2.1@2062.44,2645
  Bottom Layer w20: U3_1.2@1940,1584 1938.1,1585.9 1938.1,2029.1 2030,2121 U3_2.2@2030,2744 ; v1(6520,1675) U9.3@6567.28,1675 ; U9.3@6584.96,1657.32 6490,1562.36 6490,1278.43 F5.1@6598.43,1170
  Bottom Layer w25: v1(1940,565) U3_1.2@1940,1584
  Bottom Layer w30: J12_2.6@1705,315 v1(1705,565) ; J12_3.6@2540,315 v1(2540,565) ; J12_4.6@3375,315 v1(3375,565) ; J12_5.6@4210,315 v1(4210,565) ; J12_6.6@5045,315 v1(5045,565)
  Bottom Layer w50: C37.1@4395,1800 4395,1250 4480.39,1164.61 SW3.1@4480.39,1009.8 4450,979.41 v2(4450,575)
+12P: D10.A D11.A D18.1 F3.1 R33.1 SW3.2 SW3.3 | length 5243.5
  Top Layer w10: R33.1@2752.56,720 4505.55,720 SW3.2@4559.13,773.58
  Top Layer w50: SW3.2@4559.13,773.58 SW3.3@5039.45,773.58 5475,773.58 ; F3.1@5475,650 5475,773.58 ; F3.1@5475,850 5475,773.58
  Bottom Layer w20: 5511.34,686.34 D18.1@5592.6,686.34
  Bottom Layer w75: F3.1@5475,850 5595,850 5715,970 5885,970 6030,1115 6030,2077.32 D11.A@5802.32,2305 5802.32,2337.32 5967.68,2502.68 D10.A@5967.68,2505
+12S: D18.2 F2.1 J1.1 J1.2 Q1.2 R55.2 SW3.4 | length 7198.7
  Top Layer w20: Q1.2@482.6,606.34 482.6,702.4 ; v1(5670,740) 6000,740
  Top Layer w50: J1.1@345,710 1005,710 1070,645 5130,645 v2@5145,630 ; SW3.4@5039.45,1246.02 5039.45,1060.55 5155,945 5905,945 F2.1@6000,850 6000,740 F2.1@6000,650
  Top Layer w70: J1.1@345,710 J1.2@345,847.8
  Bottom Layer w20: D18.2@5667.4,686.34 5667.4,737.4 v1(5670,740)
  Bottom Layer w50: v2(5151.24,630) v2@5151.24,943.76
  other v2: 5150,945
+12S_MODEN: J12_1.9 J12_2.9 J12_3.9 J12_4.9 J12_5.9 J12_6.9 Q1.3 | length 5461.9
  Top Layer w20: Q1.3@520,523.66 520,360 670,210 670,130 745,55 v1(1505,55) v1(2340,55) v1(3175,55) v1(4010,55) v1(4845,55)
  Bottom Layer w20: v1(1505,55) J12_2.9@1505,215 ; v1(2340,55) J12_3.9@2340,215 ; v1(3175,55) J12_4.9@3175,215 ; v1(4010,55) J12_5.9@4010,215 ; v1(4845,55) J12_6.9@4845,215
+VBATT: F1.1 J12_1.3 J12_1.4 J12_2.3 J12_2.4 J12_3.3 J12_3.4 J12_4.3 J12_4.4 J12_5.3 J12_5.4 J12_6.3 J12_6.4 | length 7463.4
  Top Layer w35: J12_1.3@970,215 J12_1.4@970,315 970,375.18 1084.19,489.37 6474.37,489.37 6525,540 F1.1@6525,645
  Bottom Layer w35: J12_2.3@1805,215 J12_2.4@1805,315 v1(1805,490) ; J12_3.3@2640,215 J12_3.4@2640,315 v1(2640,490) ; J12_4.3@3475,215 J12_4.4@3475,315 v1(3475,490) ; J12_5.3@4310,215 J12_5.4@4310,315 v1(4310,490) ; J12_6.3@5145,215 J12_6.4@5145,315 v1(5145,490) ; F1.1@6525,645 F1.1@6525,845
BATT_GND: J9.7 J12_1.1 J12_1.2 J12_2.1 J12_2.2 J12_3.1 J12_3.2 J12_4.1 J12_4.2 J12_5.1 J12_5.2 J12_6.1 J12_6.2 | length 9108
  Top Layer w35: J12_1.1@1070,215 J12_1.2@1070,315 1070,370 1115,415 1910,415 ; J12_2.1@1905,215 J12_2.2@1905,315 1905,410 1910,415 ; J12_3.1@2740,215 J12_3.2@2740,315 2740,415 ; J12_4.1@3575,215 J12_4.2@3575,315 3575,410 3570,415 ; J12_5.1@4410,215 J12_5.2@4410,315 4410,410 4405,415 ; J12_6.1@5245,215 J12_6.2@5245,315 5245,415 ; v2(6945,435) 6925,415 5245,415 ; 1910,415 2740,415 ; 2740,415 3570,415 ; 3570,415 4405,415 ; 4405,415 5245,415
  Bottom Layer w50: J9.7@6770,2407.36 6945,2232.36 v2(6945,435)
BOOT: C25.1 U10.11 | length 107.4
  Top Layer w10: C25.1@5045,1707.44 U10.11@5045,1814.88
BUS_ON: Q7.1 R8.2 U6.33 | length 3184.6
  Top Layer w10: R8.2@547.56,1320 565,1320 653.66,1408.66 Q7.1@707.6,1408.66 748.16,1368.1 986.9,1368.1 1095,1260 3320,1260 3381.61,1321.61 U6.33@3381.61,1548.35
BUS_PRE_ON: Q6.1 R7.2 U6.34 | length 3176.7
  Top Layer w10: R7.2@547.56,1185 653.94,1185 Q6.1@707.6,1238.66 751.26,1195 950,1195 1000,1245 1032,1245 1035,1242 3327.46,1242 3399.61,1314.16 ; 3401.3,1315.84 U6.34@3401.3,1548.35
COMP: C33.2 C34.2 U10.15 | length 188.5
  Top Layer w15: U10.15@4995,2175.12 4995,2250 4980,2265 C34.2@4980,2297.44 C33.2@5040,2297.44
CS_1: U1_1.12 U2_1.4 | length 364.1
  Top Layer w10: U2_1.4@1493.98,2083.19 1493.98,2041.02 1530,2005 1625,2005 1715,1915 U1_1.12@1763.7,1915
CS_2: U1_2.12 U2_2.4 | length 978.8
  Top Layer w10: U2_2.4@1301.81,2438.98 1300.79,2440 1260,2440 1250,2450 1250,2520 1270,2540 1419.54,2540 1510.54,2631 1723.54,2631 1792,2562.54 1792,2418 1840,2370 U1_2.12@1863.7,2370
CSCS1: R51.1 U1_1.5 | length 1727
  Top Layer w10: U1_1.5@1976.3,1915 2180,1915 v1(2190,1905) ; v1(2288,1072) 2362,1072 2405,1115 2877.44,1115 R51.1@2897.44,1095
  Bottom Layer w10: v1(2190,1905) 2218,1877 2218,1191.95 2288,1121.95 v1(2288,1072)